# Altium PCB zigbee-coordinator-router.PcbDoc (continued)
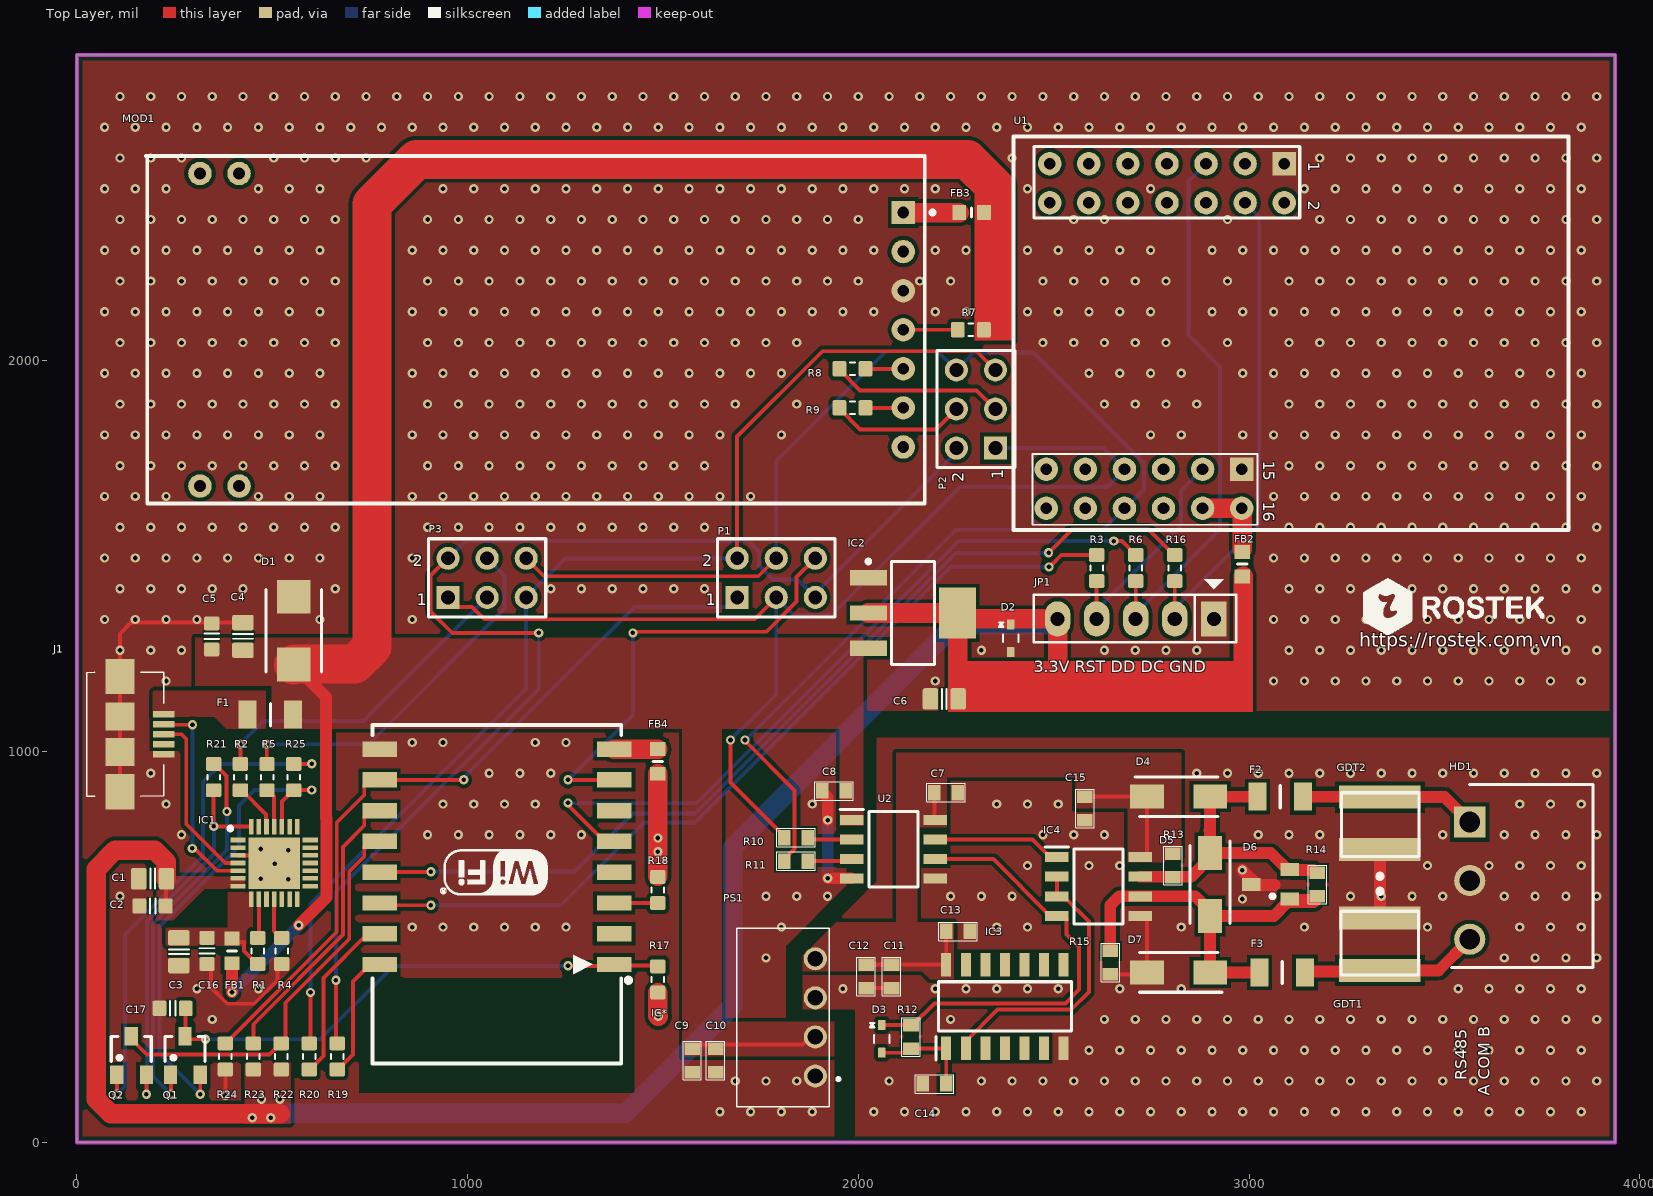
[diagram p0: Top Layer view]
## Nets (pads, with @x,y where several pads share a name; then routed paths per layer and width w, separated by ;. In a path a pad name is that pad's centre, name@x,y a point inside that pad or via, vN(x,y) a via of type N, cw(c..) or ccw(c..) an arc to the next point about the centre after c; other vN are vias at no path point)
3V3: C1.1 C2.1 C6.1 D2.K FB2.2 FB4.1 IC1.6 IC1.7 IC2.2 IC2.4 JP1.5 R17.1 R18.1 R22.2 R23.2 | length 6123.7
  Top Layer w10: C2.1@228.2,605.98 C1.1@228.2,674.02
  Top Layer w50: C1.1@228.2,674.02 228.2,718.71 198.91,748 98,748 49,699 49,110.8 86.8,73 521,73 ; R17.1 1487,324 v1(1488,323) ; R18.1@1487,681.46 v1(1487,744) v1(1487,779) FB4.1 ; IC2.2 IC2.4 IC2.4@2269.17,1340 ; C6.1 2254.8,1135.63 2254.8,1325.63 IC2.4@2269.17,1340 ; JP1.5 JP1.5@2510,1333.07 ; 2527,1171 2526,1172 2507,1172 2510,1175 JP1.5@2510,1333.07 ; 2547.5,1191.5 2569,1170 2935,1170 2985,1220 FB2.2@2985,1448.5 ; IC2.4@2269.17,1340 2503.07,1340 JP1.5@2510,1333.07
  Bottom Layer w50: 455,74.59 519.69,74.59 1403.59,74.59 1679,350 1679,756 2248,1325 JP1.5@2510,1325
  other v1: 448.82,62.83 448.82,62.83 496.06,62.83 496.06,62.83 472.44,110.08 472.44,110.08 519.69,110.08 519.69,110.08
CP_N: IC1.5 J1.2 | length 519.6
  Top Layer w10: J1.2@235.03,1070 236.03,1069 237.03,1070 238.03,1069 v1(296,1069) ; v1(295.5,752.5) 301.5,752.5 358.68,695.32 IC1.5
  Bottom Layer w10: v1(295.5,752.5) 296,753 v1(296,1069)
CP_P: IC1.4 J1.3 | length 454.1
  Top Layer w10: J1.3 267.28,1044.72 280,1032 280,814.82 379.82,715 IC1.4
DC: JP1.2 R16.1 U1.4 | length 1266.1
  Top Layer w10: JP1.2 R16.1
  Bottom Layer w10: JP1.2 2810,1367 3026.2,1583.2 3026.2,2368.8 U1.4
DD: JP1.3 R6.1 U1.5 | length 1433.4
  Top Layer w10: JP1.3@2710,1325 JP1.3 R6.1
  Bottom Layer w10: JP1.3@2710,1325 JP1.3 2710,1352.5 2926.2,1568.7 2926.2,1984.82 2845,2066.02 2845,2460 U1.5
DE: IC3.2 IC4.2 IC4.3 | length 723.5
  Top Layer w10: IC3.2 2275,258.68 2356.32,340 2545,340 2590,385 2590,565.45 2525.45,630 IC4.3 IC4.2
DTR: IC1.28 Q2.2 R21.2 | length 996.8
  Top Layer w10: Q2.2 178,172.59 v1(178,123) ; R21.2 v1(350,809) 445.04,809 445.94,808.09 IC1.28
  Bottom Layer w10: v1@179,123 179,566.37 350.81,738.18 350.81,808.19 v1(350,809)
GND: C1.2 C2.2 C3.2 C4.2 C5.2 C6.2 C8.2 C9.2 C10.2 C16.2 C17.2 D1.2 D2.A IC1.3 IC1.29 IC2.1 IC*.9 J1.5 J1.MP1 J1.MP2 J1.MP3 J1.MP4 JP1.1 MOD1.3 PS1.1 R4.1 R24.2 U1.1 U1.15 U2.4 | length 1514
  Top Layer w10: J1.MP4 J1.MP3 J1.MP2 J1.MP1 110,1302 138.43,1330.43 C4.2 ; C16.2 343.26,446.28 343.26,396.6 384.86,355 454,355 513.74,414.74 513.74,446.28 R4.1 ; v1(380,120) R24.2 ; IC1.3 485.32,734.68 IC1.29
  Top Layer w30: IC1.29 506,714 v1(506,713) ; C8.2 1908,896 1922,882 v1(1922,825) ; v1(1922,676) U2.4@1982.23,676
  Bottom Layer w30: v1(1922,676) v1(1922,825)
  other v1: 1645.67,78.58 1724.41,78.58 1803.15,78.58 1881.89,78.58 1685.04,157.32 1763.78,157.32 1842.52,157.32 346.46,314.8 307.09,393.54 464.57,393.54 1763.78,472.28 858.27,551.02 937.01,551.02 1015.75,551.02 1094.49,551.02 1173.23,551.02 1251.97,551.02 1803.15,551.02 110.24,629.76 1763.78,629.76 1842.52,629.76 1921.26,629.76 541,674 471,675 541,748 471,751 267.72,787.25 897.64,787.25 976.38,787.25 1055.12,787.25 1133.86,787.25 1212.6,787.25 1291.34,787.25 228.35,865.99 937.01,865.99 1015.75,865.99 1094.49,865.99 1173.23,865.99 1881.89,865.99 188.98,944.73 1055.12,944.73 1133.86,944.73 1212.6,944.73 858.27,1023.47 937.01,1023.47 1173.23,1023.47 1251.97,1023.47 228.35,1180.95 2196.85,1180.95 3063,1180.95 3141.74,1180.95 3220.48,1180.95 3299.22,1180.95 3377.96,1180.95 3456.7,1180.95 3535.44,1180.95 3614.18,1180.95 3692.92,1180.95 3771.66,1180.95 3850.4,1180.95 110.24,1259.69 188.98,1259.69 267.72,1259.69 2314.96,1259.69 2629.92,1259.69 2708.66,1259.69 2787.4,1259.69 2866.14,1259.69 3102.37,1259.69 3181.11,1259.69 3259.85,1259.69 3338.59,1259.69 3417.33,1259.69 3496.07,1259.69 3574.81,1259.69 3653.55,1259.69 3732.29,1259.69 3811.03,1259.69 3889.77,1259.69 70.87,1338.43 149.61,1338.43 228.35,1338.43 307.09,1338.43 622.05,1338.43 858.27,1338.43 3063,1338.43 3141.74,1338.43 3220.48,1338.43 3299.22,1338.43 3377.96,1338.43 3456.7,1338.43 3535.44,1338.43 3614.18,1338.43 3692.92,1338.43 3771.66,1338.43 3850.4,1338.43 110.24,1417.17 188.98,1417.17 267.72,1417.17 346.46,1417.17 425.2,1417.17 661.42,1417.17 1212.6,1417.17 1291.34,1417.17 1370.08,1417.17 1448.82,1417.17 1527.56,1417.17 1606.3,1417.17 3102.37,1417.17 3181.11,1417.17 3259.85,1417.17 3338.59,1417.17 3417.33,1417.17 3496.07,1417.17 3574.81,1417.17 3653.55,1417.17 3732.29,1417.17 3811.03,1417.17 3889.77,1417.17 70.87,1495.91 149.61,1495.91 228.35,1495.91 307.09,1495.91 385.83,1495.91 464.57,1495.91 543.31,1495.91 622.05,1495.91 858.27,1495.91 3063,1495.91 3141.74,1495.91 3220.48,1495.91 3299.22,1495.91 3377.96,1495.91 3456.7,1495.91 3535.44,1495.91 3614.18,1495.91 3692.92,1495.91 3771.66,1495.91 3850.4,1495.91 110.24,1574.65 188.98,1574.65 267.72,1574.65 346.46,1574.65 425.2,1574.65 503.94,1574.65 582.68,1574.65 661.42,1574.65 897.64,1574.65 976.38,1574.65 1055.12,1574.65 1133.86,1574.65 1212.6,1574.65 1291.34,1574.65 1370.08,1574.65 1448.82,1574.65 1527.56,1574.65 1606.3,1574.65 3102.37,1574.65 3181.11,1574.65 3259.85,1574.65 3338.59,1574.65 3417.33,1574.65 3496.07,1574.65 3574.81,1574.65 3653.55,1574.65 3732.29,1574.65 3811.03,1574.65 3889.77,1574.65 70.87,1653.39 149.61,1653.39 228.35,1653.39 464.57,1653.39 543.31,1653.39 622.05,1653.39 858.27,1653.39 937.01,1653.39 1015.75,1653.39 1094.49,1653.39 1173.23,1653.39 1251.97,1653.39 1330.71,1653.39 1409.45,1653.39 1488.19,1653.39 1566.93,1653.39 1645.67,1653.39 1724.41,1653.39 3063,1653.39 3141.74,1653.39 3220.48,1653.39 3299.22,1653.39 3377.96,1653.39 3456.7,1653.39 3535.44,1653.39 3614.18,1653.39 3692.92,1653.39 3771.66,1653.39 3850.4,1653.39 110.24,1732.13 188.98,1732.13 267.72,1732.13 346.46,1732.13 425.2,1732.13 503.94,1732.13 582.68,1732.13 661.42,1732.13 897.64,1732.13 976.38,1732.13 1055.12,1732.13 1133.86,1732.13 1212.6,1732.13 1291.34,1732.13 1370.08,1732.13 1448.82,1732.13 1527.56,1732.13 1606.3,1732.13 3102.37,1732.13 3181.11,1732.13 3259.85,1732.13 3338.59,1732.13 3417.33,1732.13 3496.07,1732.13 3574.81,1732.13 3653.55,1732.13 3732.29,1732.13 3811.03,1732.13 3889.77,1732.13 70.87,1810.87 149.61,1810.87 228.35,1810.87 307.09,1810.87 385.83,1810.87 464.57,1810.87 543.31,1810.87 622.05,1810.87 858.27,1810.87 937.01,1810.87 1015.75,1810.87 1094.49,1810.87 1173.23,1810.87 1251.97,1810.87 1330.71,1810.87 1409.45,1810.87 1488.19,1810.87 1566.93,1810.87 1645.67,1810.87 1803.15,1810.87 2748.03,1810.87 2826.77,1810.87 2984.26,1810.87 3063,1810.87 3141.74,1810.87 3220.48,1810.87 3299.22,1810.87 3377.96,1810.87 3456.7,1810.87 3535.44,1810.87 3614.18,1810.87 3692.92,1810.87 3771.66,1810.87 3850.4,1810.87 110.24,1889.61 188.98,1889.61 267.72,1889.61 346.46,1889.61 425.2,1889.61 503.94,1889.61 582.68,1889.61 661.42,1889.61 897.64,1889.61 976.38,1889.61 1055.12,1889.61 1133.86,1889.61 1212.6,1889.61 1291.34,1889.61 1370.08,1889.61 1448.82,1889.61 1527.56,1889.61 1606.3,1889.61 1685.04,1889.61 1842.52,1889.61 2629.92,1889.61 2708.66,1889.61 2787.4,1889.61 2866.14,1889.61 3102.37,1889.61 3181.11,1889.61 3259.85,1889.61 3338.59,1889.61 3417.33,1889.61 3496.07,1889.61 3574.81,1889.61 3653.55,1889.61 3732.29,1889.61 3811.03,1889.61 3889.77,1889.61 70.87,1968.35 149.61,1968.35 228.35,1968.35 307.09,1968.35 385.83,1968.35 464.57,1968.35 543.31,1968.35 622.05,1968.35 858.27,1968.35 937.01,1968.35 1015.75,1968.35 1094.49,1968.35 1173.23,1968.35 1251.97,1968.35 1330.71,1968.35 1409.45,1968.35 1488.19,1968.35 1566.93,1968.35 1645.67,1968.35 1724.41,1968.35 1803.15,1968.35 2590.55,1968.35 2669.29,1968.35 2748.03,1968.35 2826.77,1968.35 2984.26,1968.35 3063,1968.35 3141.74,1968.35 3220.48,1968.35 3299.22,1968.35 3377.96,1968.35 3456.7,1968.35 3535.44,1968.35 3614.18,1968.35 3692.92,1968.35 3771.66,1968.35 3850.4,1968.35 110.24,2047.09 188.98,2047.09 267.72,2047.09 346.46,2047.09 425.2,2047.09 503.94,2047.09 582.68,2047.09 661.42,2047.09 897.64,2047.09 976.38,2047.09 1055.12,2047.09 1133.86,2047.09 1212.6,2047.09 1291.34,2047.09 1370.08,2047.09 1448.82,2047.09 1527.56,2047.09 1606.3,2047.09 1685.04,2047.09 1763.78,2047.09 1842.52,2047.09 2472.44,2047.09 2551.18,2047.09 2629.92,2047.09 2708.66,2047.09 2787.4,2047.09 2944.89,2047.09 3102.37,2047.09 3181.11,2047.09 3259.85,2047.09 3338.59,2047.09 3417.33,2047.09 3496.07,2047.09 3574.81,2047.09 3653.55,2047.09 3732.29,2047.09 3811.03,2047.09 3889.77,2047.09 70.87,2125.83 149.61,2125.83 228.35,2125.83 307.09,2125.83 385.83,2125.83 464.57,2125.83 543.31,2125.83 622.05,2125.83 858.27,2125.83 937.01,2125.83 1015.75,2125.83 1094.49,2125.83 1173.23,2125.83 1251.97,2125.83 1330.71,2125.83 1409.45,2125.83 1488.19,2125.83 1566.93,2125.83 1645.67,2125.83 1724.41,2125.83 1803.15,2125.83 1881.89,2125.83 1960.63,2125.83 2039.37,2125.83 2196.85,2125.83 2275.59,2125.83 2433.07,2125.83 2511.81,2125.83 2590.55,2125.83 2669.29,2125.83 2748.03,2125.83 2905.52,2125.83 2984.26,2125.83 3063,2125.83 3141.74,2125.83 3220.48,2125.83 3299.22,2125.83 3377.96,2125.83 3456.7,2125.83 3535.44,2125.83 3614.18,2125.83 3692.92,2125.83 3771.66,2125.83 3850.4,2125.83 110.24,2204.57 188.98,2204.57 267.72,2204.57 346.46,2204.57 425.2,2204.57 503.94,2204.57 582.68,2204.57 661.42,2204.57 897.64,2204.57 976.38,2204.57 1055.12,2204.57 1133.86,2204.57 1212.6,2204.57 1291.34,2204.57 1370.08,2204.57 1448.82,2204.57 1527.56,2204.57 1606.3,2204.57 1685.04,2204.57 1763.78,2204.57 1842.52,2204.57 1921.26,2204.57 2000,2204.57 2157.48,2204.57 2236.22,2204.57 2472.44,2204.57 2551.18,2204.57 2629.92,2204.57 2708.66,2204.57 2787.4,2204.57 2944.89,2204.57 3102.37,2204.57 3181.11,2204.57 3259.85,2204.57 3338.59,2204.57 3417.33,2204.57 3496.07,2204.57 3574.81,2204.57 3653.55,2204.57 3732.29,2204.57 3811.03,2204.57 3889.77,2204.57 70.87,2283.31 149.61,2283.31 228.35,2283.31 307.09,2283.31 385.83,2283.31 464.57,2283.31 543.31,2283.31 622.05,2283.31 858.27,2283.31 937.01,2283.31 1015.75,2283.31 1094.49,2283.31 1173.23,2283.31 1251.97,2283.31 1330.71,2283.31 1409.45,2283.31 1488.19,2283.31 1566.93,2283.31 1645.67,2283.31 1724.41,2283.31 1803.15,2283.31 1881.89,2283.31 1960.63,2283.31 2039.37,2283.31 2196.85,2283.31 2275.59,2283.31 2433.07,2283.31 2511.81,2283.31 2590.55,2283.31 2669.29,2283.31 2748.03,2283.31 2905.52,2283.31 2984.26,2283.31 3063,2283.31 3141.74,2283.31 3220.48,2283.31 3299.22,2283.31 3377.96,2283.31 3456.7,2283.31 3535.44,2283.31 3614.18,2283.31 3692.92,2283.31 3771.66,2283.31 3850.4,2283.31 110.24,2362.05 188.98,2362.05 267.72,2362.05 346.46,2362.05 425.2,2362.05 503.94,2362.05 582.68,2362.05 661.42,2362.05 897.64,2362.05 976.38,2362.05 1055.12,2362.05 1133.86,2362.05 1212.6,2362.05 1291.34,2362.05 1370.08,2362.05 1448.82,2362.05 1527.56,2362.05 1606.3,2362.05 1685.04,2362.05 1763.78,2362.05 1842.52,2362.05 1921.26,2362.05 2000,2362.05 2551.18,2362.05 2629.92,2362.05 2944.89,2362.05 3181.11,2362.05 3259.85,2362.05 3338.59,2362.05 3417.33,2362.05 3496.07,2362.05 3574.81,2362.05 3653.55,2362.05 3732.29,2362.05 3811.03,2362.05 3889.77,2362.05 70.87,2440.79 149.61,2440.79 228.35,2440.79 464.57,2440.79 543.31,2440.79 622.05,2440.79 937.01,2440.79 1015.75,2440.79 1094.49,2440.79 1173.23,2440.79 1251.97,2440.79 1330.71,2440.79 1409.45,2440.79 1488.19,2440.79 1566.93,2440.79 1645.67,2440.79 1724.41,2440.79 1803.15,2440.79 1881.89,2440.79 1960.63,2440.79 2039.37,2440.79 2118.11,2440.79 2196.85,2440.79 2433.07,2440.79 2748.03,2440.79 3141.74,2440.79 3220.48,2440.79 3299.22,2440.79 3377.96,2440.79 3456.7,2440.79 3535.44,2440.79 3614.18,2440.79 3692.92,2440.79 3771.66,2440.79 3850.4,2440.79 110.24,2519.53 188.98,2519.53 267.72,2519.53 503.94,2519.53 582.68,2519.53 661.42,2519.53 740.16,2519.53 2393.7,2519.53 3181.11,2519.53 3259.85,2519.53 3338.59,2519.53 3417.33,2519.53 3496.07,2519.53 3574.81,2519.53 3653.55,2519.53 3732.29,2519.53 3811.03,2519.53 3889.77,2519.53 70.87,2598.27 149.61,2598.27 228.35,2598.27 307.09,2598.27 385.83,2598.27 464.57,2598.27 543.31,2598.27 622.05,2598.27 700.79,2598.27 779.53,2598.27 858.27,2598.27 937.01,2598.27 1015.75,2598.27 1094.49,2598.27 1173.23,2598.27 1251.97,2598.27 1330.71,2598.27 1409.45,2598.27 1488.19,2598.27 1566.93,2598.27 1645.67,2598.27 1724.41,2598.27 1803.15,2598.27 1881.89,2598.27 1960.63,2598.27 2039.37,2598.27 2118.11,2598.27 2196.85,2598.27 2275.59,2598.27 2354.33,2598.27 2433.07,2598.27 2511.81,2598.27 2590.55,2598.27 2669.29,2598.27 2748.03,2598.27 2826.77,2598.27 2905.52,2598.27 2984.26,2598.27 3063,2598.27 3141.74,2598.27 3220.48,2598.27 3299.22,2598.27 3377.96,2598.27 3456.7,2598.27 3535.44,2598.27 3614.18,2598.27 3692.92,2598.27 3771.66,2598.27 3850.4,2598.27 110.24,2677.01 188.98,2677.01 267.72,2677.01 346.46,2677.01 425.2,2677.01 503.94,2677.01 582.68,2677.01 661.42,2677.01 740.16,2677.01 818.9,2677.01 897.64,2677.01 976.38,2677.01 1055.12,2677.01 1133.86,2677.01 1212.6,2677.01 1291.34,2677.01 1370.08,2677.01 1448.82,2677.01 1527.56,2677.01 1606.3,2677.01 1685.04,2677.01 1763.78,2677.01 1842.52,2677.01 1921.26,2677.01 2000,2677.01 2078.74,2677.01 2157.48,2677.01 2236.22,2677.01 2314.96,2677.01 2393.7,2677.01 2472.44,2677.01 2551.18,2677.01 2629.92,2677.01 2708.66,2677.01 2787.4,2677.01 2866.14,2677.01 2944.89,2677.01 3023.63,2677.01 3102.37,2677.01 3181.11,2677.01 3259.85,2677.01 3338.59,2677.01 3417.33,2677.01 3496.07,2677.01 3574.81,2677.01 3653.55,2677.01 3732.29,2677.01 3811.03,2677.01 3889.77,2677.01
GNDISO: C7.1 C11.2 C12.2 C13.1 C14.2 C15.1 D6.3 D7.2 GDT1.1 GDT2.1 HD1.2 IC3.7 IC4.5 PS1.3 R15.2 U2.5 | length 594.2
  Top Layer w10: C12.2 C11.2 ; R15.2 2734.29,430 D7.2 2739.29,572.2 2731.5,580 IC4.5
  Top Layer w30: v1(2983,697) 3021,659 3066,659 ; GDT1.1 GDT2.1
  other v1: 2039.37,78.58 2118.11,78.58 2196.85,78.58 2275.59,78.58 2354.33,78.58 2433.07,78.58 2511.81,78.58 2590.55,78.58 2669.29,78.58 2748.03,78.58 2826.77,78.58 2905.52,78.58 2984.26,78.58 3063,78.58 3141.74,78.58 3220.48,78.58 3299.22,78.58 3377.96,78.58 3456.7,78.58 3535.44,78.58 3614.18,78.58 3692.92,78.58 3771.66,78.58 3850.4,78.58 2078.74,157.32 2314.96,157.32 2393.7,157.32 2472.44,157.32 2551.18,157.32 2629.92,157.32 2708.66,157.32 2787.4,157.32 2866.14,157.32 2944.89,157.32 3023.63,157.32 3102.37,157.32 3181.11,157.32 3259.85,157.32 3338.59,157.32 3417.33,157.32 3496.07,157.32 3574.81,157.32 3653.55,157.32 3732.29,157.32 3811.03,157.32 3889.77,157.32 2590.55,236.06 2669.29,236.06 2748.03,236.06 2826.77,236.06 2905.52,236.06 2984.26,236.06 3063,236.06 3141.74,236.06 3220.48,236.06 3299.22,236.06 3377.96,236.06 3456.7,236.06 3535.44,236.06 3614.18,236.06 3692.92,236.06 3771.66,236.06 3850.4,236.06 2236.22,314.8 2629.92,314.8 2708.66,314.8 2787.4,314.8 2866.14,314.8 2944.89,314.8 3023.63,314.8 3102.37,314.8 3181.11,314.8 3259.85,314.8 3338.59,314.8 3417.33,314.8 3496.07,314.8 3574.81,314.8 3653.55,314.8 3732.29,314.8 3811.03,314.8 3889.77,314.8 1960.63,393.54 2196.85,393.54 2275.59,393.54 2354.33,393.54 2433.07,393.54 2511.81,393.54 2669.29,393.54 2826.77,393.54 3535.44,393.54 3614.18,393.54 3692.92,393.54 3771.66,393.54 3850.4,393.54 3653.55,472.28 3732.29,472.28 3811.03,472.28 3889.77,472.28 2354.33,551.02 2433.07,551.02 2826.77,551.02 3141.74,551.02 3456.7,551.02 3692.92,551.02 3771.66,551.02 3850.4,551.02 2983,623 2236.22,629.76 2314.96,629.76 2393.7,629.76 3259.85,629.76 3338.59,629.76 3417.33,629.76 3496.07,629.76 3653.55,629.76 3732.29,629.76 3811.03,629.76 3889.77,629.76 2433.07,708.51 2590.55,708.51 2669.29,708.51 3456.7,708.51 3614.18,708.51 3692.92,708.51 3771.66,708.51 3850.4,708.51 2472.44,787.25 2551.18,787.25 2629.92,787.25 3023.63,787.25 3102.37,787.25 3181.11,787.25 3496.07,787.25 3653.55,787.25 3732.29,787.25 3811.03,787.25 3889.77,787.25 2354.33,865.99 2433.07,865.99 2511.81,865.99 3692.92,865.99 3771.66,865.99 3850.4,865.99 2866.14,944.73 2944.89,944.73 3023.63,944.73 3102.37,944.73 3181.11,944.73 3259.85,944.73 3338.59,944.73 3417.33,944.73 3496.07,944.73 3574.81,944.73 3653.55,944.73 3732.29,944.73 3811.03,944.73 3889.77,944.73
GPIO0: IC*.12 Q2.3 R22.1 | length 1054.8
  Top Layer w10: Q2.3 139.2,264.32 178.78,224.75 492.69,224.75 521.41,253.46 R22.1 533.63,263.72 533.63,357.55 697,520.92 697,693.36 735.51,731.87 735.51,755.68 750.2,770.37 IC*.12
GPIO2: IC*.11 R23.1 | length 743.9
  Top Layer w10: R23.1 451.69,302.52 681,531.84 681,756.1 735.51,810.61 735.51,834.43 750.2,849.11 IC*.11
GPIO4: IC*.13 R16.2 | length 2425.8
  Top Layer w10: IC*.13 904.63,691.63 v1(906,693) ; v1(2487,1509) 2547,1569 2742.5,1569 2808.03,1503.46 R16.2
  Bottom Layer w10: v1(906,693) 1274,693 1423.19,842.19 1582.73,842.19 2249.54,1509 v1(2487,1509)
GPIO5: IC*.14 R3.2 | length 2209
  Top Layer w10: IC*.14 780.69,607 v1(906,607) ; v1(2488,1473) 2497.19,1482.19 2498.11,1482.19 2519.38,1503.46 R3.2
  Bottom Layer w10: v1(906,607) 1239,607 1451,819 1582.17,819 2236.17,1473 v1(2488,1473)
GPIO13: IC*.7 P1.6 | length 1147.8
  Top Layer w10: v1(1257,928) 1375.05,928 IC*.7 ; v1@1423,1307 1764.97,1307 1842.31,1384.34 1842.31,1447.31 P1.6
  Bottom Layer w10: v1(1257,928) 1423,1094 v1(1423,1304) v1@1423,1307
GPIO14: IC*.5 R6.2 | length 1908.1
  Top Layer w10: v1(1257,869) 1257,863.96 1350.59,770.37 IC*.5 ; v1(2654,1539) 2674.46,1539 R6.2
  Bottom Layer w10: v1(1257,869) 1258,868 1585.92,868 2256.92,1539 v1(2654,1539)
GPIO15: IC*.10 P1.1 R24.1 | length 1963.9
  Top Layer w10: R24.1 665,538.46 665,818.84 735.51,889.35 735.51,913.17 750.2,927.85 IC*.10 774.95,928 v1(990,928)
  Bottom Layer w10: v1(990,928) 990,932.92 1427.56,1370.47 1665.47,1370.47 P1.1
NetC3_1: C3.1 C16.1 FB1.1 IC1.8 R1.1 | length 97.7
  Top Layer w10: FB1.1@403.36,515.14 405.35,513.14 428,513.14 428,489.57 461.03,456.54 R1.1
NetC14_1: C14.1 D3.A IC3.1 R12.1 | length 258.5
  Top Layer w10: D3.A 2124.57,229.57 R12.1 2223.54,240 2225,238.54 C14.1
NetD4_2: D4.2 D5.1 D6.2 F2.1 IC4.7 R13.2 R14.1 | length 792.7
  Top Layer w10: IC4.7@2704.55,680 IC4.7 ; D4.2@2900.71,875 D4.2
  Top Layer w30: IC4.7 2852.09,680 2900,727.91 D5.1 ; 2898.36,799 2900.35,797 ; D4.2@2900.71,875 2900.35,874.65 2900.35,797 ; D4.2 F2.1 ; R14.1 3171,690 3163.93,697.07 3105.95,697.07 D6.2 3097.32,698.8 3055.41,740.71 D5.1 ; D5.1 2900.35,741.06 2900.35,797
NetD5_2: D5.2 D6.1 D7.1 F3.1 IC4.6 R14.2 R15.1 | length 1027.8
  Top Layer w30: R15.1 2644.99,607.43 2667.56,630 IC4.6 2862.09,630 2900,592.09 D5.2 ; F3.1 D7.1 2900.35,435.35 2900.35,578.94 D5.2 ; D6.1@3097.11,613 3063.4,579.29 D5.2 ; D6.1 3105.73,621.27 3169.73,621.27 3171,620 3165.73,614.73 D6.1@3105.73,614.73
NetF1_1: F1.1 J1.1
NetFB2_1: FB2.1 U1.16 U1.18 | length 205.4
  Top Layer w50: U1.18 U1.16 2983.11,1621.09 FB2.1@2983.11,1518.38
NetFB3_1: FB3.1 MOD1.1 | length 143.5
  Top Layer w50: MOD1.1 FB3.1
NetFB4_2: FB4.2 IC*.8 | length 111.8
  Top Layer w50: IC*.8 1375.29,1006.5 FB4.2
NetIC1_9: IC1.9 R1.2 | length 100.1
  Top Layer w10: R1.2 465.63,526.09 IC1.9
NetIC1_11: IC1.11 R4.2 | length 108
  Top Layer w10: IC1.11 505,540.5 522.03,523.46 R4.2
NetIC1_25: IC1.25 R5.1 | length 102.8
  Top Layer w10: R5.1 488.64,901.54 505,885.17 IC1.25
NetIC1_26: IC1.26 R2.1 | length 122.2
  Top Layer w10: R2.1@420,901.54 421.97,901.54 484.41,839.09 484.41,808.43 IC1.26
NetIC*_3: IC*.3 R18.2 | length 109.9
  Top Layer w10: IC*.3 1375.55,612.54 R18.2@1485,612.54
NetIC*_15: IC*.15 R20.1 | length 441.2
  Top Layer w10: R20.1 596.78,186.54 631,220.75 631,420.92 744.23,534.15 IC*.15
NetIC*_16: IC*.16 R19.1 | length 329.4
  Top Layer w10: R19.1 668.22,186.54 707,225.32 707,412.21 750.2,455.41 IC*.16
NetMOD1_4: MOD1.4 R7.1 | length 136.5
  Top Layer w10: MOD1.4 R7.1@2251.54,2080
NetMOD1_5: MOD1.5 R8.1 | length 96.5
  Top Layer w10: R8.1 MOD1.5
NetMOD1_6: MOD1.6 R9.1 | length 96.5
  Top Layer w10: R9.1 MOD1.6
NetQ1_1: Q1.1 R21.1 | length 1008.5
  Top Layer w10: Q1.1 241,172 v1(241,123) ; R21.1 351.97,968.46 383,937.43 383,848 v1(384,847)
  Bottom Layer w10: v1(241,123) 195,169 195,559.75 384,748.75 v1(384,847)
NetQ2_1: Q2.1 R25.1 | length 1284.2
  Top Layer w10: Q2.1 103,172 v1(103,123) ; R25.1 600.46,968.46 v1(601,969)
  Bottom Layer w10: v1(103,123) 122.8,142.8 122.8,532.8 323.19,733.19 323.19,922.19 370,969 v1(601,969)
NetR10_2: R10.2 U2.2 | length 115.3
  Top Layer w10: R10.2 1874.99,775 U2.2
NetR11_2: R11.2 U2.3 | length 115.3
  Top Layer w10: R11.2 1978.23,720 U2.3
nRST: C17.1 IC*.1 Q1.3 R17.2 | length 1366.6
  Top Layer w10: C17.1 278.46,272.48 Q1.3 284.41,264 v1(329,264) ; v1(1257,452) 1371.79,452 IC*.1 1378.07,452.54 R17.2@1486,452.54
  Bottom Layer w10: v1(329,264) 621.92,264 809.92,452 v1(1257,452) v1@1259,452
RS485_A: F3.2 GDT1.2 HD1.3 | length 457.1
  Top Layer w30: F3.2 3145.57,437.5 3332.5,437.5 GDT1.2 3485,440 HD1.3
RS485_B: F2.2 GDT2.2 HD1.1 | length 453.9
  Top Layer w30: F2.2 3138.64,884.43 3334.43,884.43 GDT2.2 3501.14,883.86 HD1.1
RST: JP1.4 R3.1 U1.17 | length 591.9
  Top Layer w10: JP1.4 R3.1
  Bottom Layer w10: JP1.4 2610,1362.63 2826.2,1578.83 2826.2,1668 U1.17
RST_CP: IC1.24 Q1.2 R25.2 | length 1252.7
  Top Layer w10: Q1.2 315.8,123.2 v1(316,123) ; IC1.24 524.68,872.89 538.65,886.85 R25.2@538.65,888.82 ; R25.2 600.54,901.54 v1(601,902)
  Bottom Layer w10: v1(316,123) 211,228 211,553.12 415,757.12 415,862 455,902 v1(601,902)
RX: P1.3 P2.1 P3.1 R10.1 U1.21 | length 3023.7
  Top Layer w10: P3.1 974.53,1370.47 1011.56,1370.47 1043.03,1339 1734,1339 P1.3 ; v1(1673,1030) 1673,920.99 1810,784 R10.1
  Bottom Layer w10: v1(1673,1030) 1683.19,1040.19 1683.19,1041.11 1698.89,1056.81 1699.81,1056.81 1790,1147 P1.3 1834.53,1350.47 1932.47,1350.47 2260,1678 2636.2,1678 U1.21 2627.2,1777 P2.1
RX_CP: P3.4 R5.2 | length 948.2
  Top Layer w10: v1@486,1017 486,969.13 R5.2
  Bottom Layer w10: v1(486,1019) 747,1019 1094.53,1366.53 1094.53,1450.47 P3.4
RX_ESP: P1.2 P2.5 P3.5 R20.2 | length 3046.7
  Top Layer w10: R20.2 598,256.65 v1(598,384) ; P1.2@1697.5,1487.5 P1.2 1690,1807 1908,2025 2303,2025 P2.5
  Bottom Layer w10: v1(598,384) 598,610 1150,1162 P3.5 1250,1495 P1.2
RX_ETH: P2.4 R9.2 | length 344.9
  Top Layer w10: R9.2 1951.54,1878.03 2004.57,1825 2199,1825 P2.4
RX_ISO: IC4.1 U2.7 | length 330.1
  Top Layer w10: U2.7 2446,775 2491,730 IC4.1
TX: P1.4 P2.6 P3.6 R11.1 U1.22 | length 3866.9
  Top Layer w10: P3.6 1196,1449 1744,1449 P1.4 ; v1@1710,1028 1837,901 1837,751 1810,724 R11.1
  Bottom Layer w10: v1@1710,1028 2250,1568 2626.2,1568 U1.22 2683,1623 2730.86,1670.86 2730.86,1739.14 2448.47,2021.53 2295.53,2021.53 P2.6 2203,2025 2071,2025 1790,1744 P1.4
  other v1: 1710,1030
TX_CP: P3.3 R2.2 | length 838.4
  Top Layer w10: v1(418,1019) 418,1017 418.33,1016.67 R2.2
  Bottom Layer w10: v1(418,1019) 478,1079 734,1079 P3.3
TX_ESP: P1.5 P2.2 P3.2 R19.2 | length 3313
  Top Layer w10: v1(663,415) 663,258.21 667,254.21 R19.2 ; P3.2 905.47,1450.47 905.47,1359.26 960.73,1304 v1(1182,1304) ; P1.5 P1.5@1890,1405.5 ; P2.2@2251,1766.5 P2.2
  Bottom Layer w10: v1(663,415) 663,641 1182,1160 v1(1182,1304) ; P3.2 994.53,1539.53 1718.47,1539.53 1745.47,1512.53 1745.47,1476.56 1781.56,1440.47 1844.53,1440.47 P1.5 1890,1405.5 2251,1766.5 P2.2
TX_ETH: P2.3 R8.2 | length 443.3
  Top Layer w10: R8.2 1951.54,1978.03 2004.57,1925 2303,1925 P2.3
TX_ISO: D3.K IC4.4 R12.2 U2.6 | length 1137
  Top Layer w10: D3.K 2134.57,300.43 R12.2 2139,300 2195.01,356 2530,356 2565,391 2565,500.23 2533.25,531.98 2533.25,572.2 2525.45,580 IC4.4 2491,580 2346,725 U2.6
VCC: C4.1 C5.1 C8.1 C9.1 C10.1 D1.1 F1.2 FB1.2 FB3.2 IC2.3 PS1.2 R7.2 U2.1 | length 4751.5
  Top Layer w10: C9.1@1560,251 1857.73,251 1876.73,270 PS1.2
  Top Layer w30: v1(397,384) FB1.2 ; D1.1@555,1222.4 637.81,1139.59 637.81,830.8 639,829.61 639,627 v1(568,556)
  Top Layer w100: D1.1@555,1222.4 556.6,1224 711,1224 755,1268 755,2402 869,2516 2279,2516 2348,2447 2348,2103
  Bottom Layer w30: v1(397,384) 568,555 v1(568,556)
VCCISO: C7.2 C11.1 C12.1 C13.2 C15.2 D4.1 IC3.14 IC4.8 PS1.4 R13.1 U2.8 | length 688
  Top Layer w10: C12.1 C11.1 IC3.14 C13.2 ; C7.2 2195,826.77 U2.8 ; C15.2 2645,885 D4.1 2739.29,737.8 2731.5,730 IC4.8
pads on no net: C1.0 C2.0 C3.0 C4.0 C5.0 C6.0 C16.0 C17.0 D2.0 D3.0 IC1.1 IC1.2 IC1.10 IC1.12 IC1.13 IC1.14 IC1.15 IC1.16 IC1.17 IC1.18 IC1.19 IC1.20 IC1.21 IC1.22 IC1.23 IC1.27 IC3.3 IC3.4 IC3.5 IC3.6 IC3.8 IC3.9 IC3.10 IC3.11 IC3.12 IC3.13 IC*.2 IC*.4 IC*.6 J1.4 MOD1.0 MOD1.2 MOD1.7 R1.0 R2.0 R3.0 R4.0 R5.0 R6.0 R7.0 R8.0 R9.0 R16.0 R17.0 R18.0 R19.0 R20.0 R21.0 R22.0 R23.0 R24.0 R25.0 U1.2 U1.3 U1.6 U1.7 U1.8 U1.9 U1.10 U1.11 U1.12 U1.13 U1.14 U1.19 U1.20 U1.23 U1.24 U1.25 U1.26

## Polygon pours and split planes (outlines as drawn)
NetC3_1 on Top Layer "Top Layer-NetFB1_1" (solid, pour order 0): 385.66,550 228,550 228,503.68 445.66,503.68 446.41,504.43 451.66,504.43 451.66,640 385.66,640
VCCISO on Top Layer "Top Layer-VCCISO" (solid, pour order 6): 1943.5,564 1858.5,479 1858,479 1858,438 2163,438 2184,417 2244,417 2244,564 2151,564 2151,807 2227,807 2227,935 2335,935 2556,935 2556,855 2690,855 2690,717 2827,717 2827,997 2097,997 2097,564
GNDISO on Top Layer "Top Layer-GNDISO" (solid, pour order 8): 1992,341 1992,1 3936,1 3936,4 3936,1036 2047,1036 2047,668 1858,479 1858,341
no net on Top Layer "Top Layer-No Net" (solid, pour order 12): 1928,220
NetF1_1 on Top Layer "Top Layer-NetF1_1" (solid, remove dead copper, pour order 2): 194,1089 352,1089 382,1059 483,1059 483,1156 195,1156 194,1155
3V3 on Top Layer "Top Layer-3V3 1" (solid, remove dead copper, pour order 22): 429,211 547,211 547,48 429,48
3V3 on Top Layer "Top Layer-3V3" (solid, remove dead copper, pour order 24): 431,649 327,649 247,569 204,569 204,700 223,681 431,681
VCC on Top Layer "Top Layer-VCC" (solid, remove dead copper, pour order 4): 1550,220 1938,220 1938,309 1650,309 1650,1059 1953,1059 1953,811 2013,811 2013,1059 2013,1292 1344,1292 303,1292 303,1169 500,1169 499,1168 499,1059 1550,1059
GND on Top Layer "Top Layer-GND" (solid, remove dead copper, pour order 18): 1968.5,655 1967,655 1814,502 1814,241 1939,241 1939,0 0,0 0,2783 3936,2783 3936,1106 3937,1105 1968.5,1105
GNDISO on Bottom Layer "Bottom Layer-GNDISO" (solid, pour order 10): 1993,320 1993,1 3937,1 3937,4 3937,1036 2030,1036 2030,651 1858,479 1858,320
no net on Bottom Layer "Bottom Layer-No Net" (solid, pour order 14): 1993,1
3V3 on Bottom Layer "Bottom Layer-3V3" (solid, remove dead copper, pour order 28): 2547,1294 2546,1293 2269,1293 1705,729 1705,225 1528,48 428,48 428,209 429,210 547,210 547,120 546,119 1414,119 1462,167 1462,793 1594,793 2232,1431 2547,1431
GND on Bottom Layer "Bottom Layer-GND" (solid, remove dead copper, pour order 16): 1968.5,655 1812,498.5 1812,241 1939,241 1939,0 0,0 0,2783 3936,2783 3936,1106 3937,1105 1968.5,1105

## Keep-outs
Keep-Out Layer:
  the board outline again, w10

## Other copper
Top Layer:
  rectangle net VCC: 2298,2052 2398,2150
  rectangle net 3V3: 2230,1102 3010,1232
  pour cut-out: 721,422 721,126 1428,126 1428,422
Bottom Layer:
  pour cut-out: 721,422 721,126 1428,126 1428,422

## Silkscreen, mask and mechanical layers (free items; w line width, h text height)
Top Overlay:
  drawing of 702 lines, arcs and shapes, not listed
  text "https://rostek.com.vn" at 3281.87,1256.96 h60
  text "3.3V RST DD DC GND" at 2449,1203 h30
  text "RS485" at 3557,159 h30 r90
  text "A COM B" at 3616,120 h30 r90
Top Solder:
  rectangle: 0,2705 3937.01,2783.74
Bottom Solder:
  rectangle: 0,2705.26 3937.01,2784

## Dimensions
0,0 to 0,2783.46 on Top Overlay
0,0 to 3937.01,0 on Top Overlay

## Text inside footprints (layer, text, board x,y; h text height)
IC*: Mechanical 13 "CUTOUT POLYGON" at 1376.96,248.41 h10 r180; Mechanical 13 "ANTENNA AREA" at 1376.96,228.41 h10 r180
P1: Top Overlay "1" at 1610,1375 h30; Top Overlay "2" at 1600,1475 h30
P2: Top Overlay "1" at 2371,1697 h30 r90; Top Overlay "2" at 2270,1690 h30 r90
P3: Top Overlay "1" at 870,1375 h30; Top Overlay "2" at 860,1475 h30
U1: Top Overlay "16" at 3037,1640 h30 r270; Top Overlay "15" at 3037,1745 h30 r270; Top Overlay "1" at 3152,2510 h30 r270; Top Overlay "2" at 3152,2410 h30 r270